# Altium PCB DM1095_R0M0E1.PcbDoc (part 1 of 3) (continued)
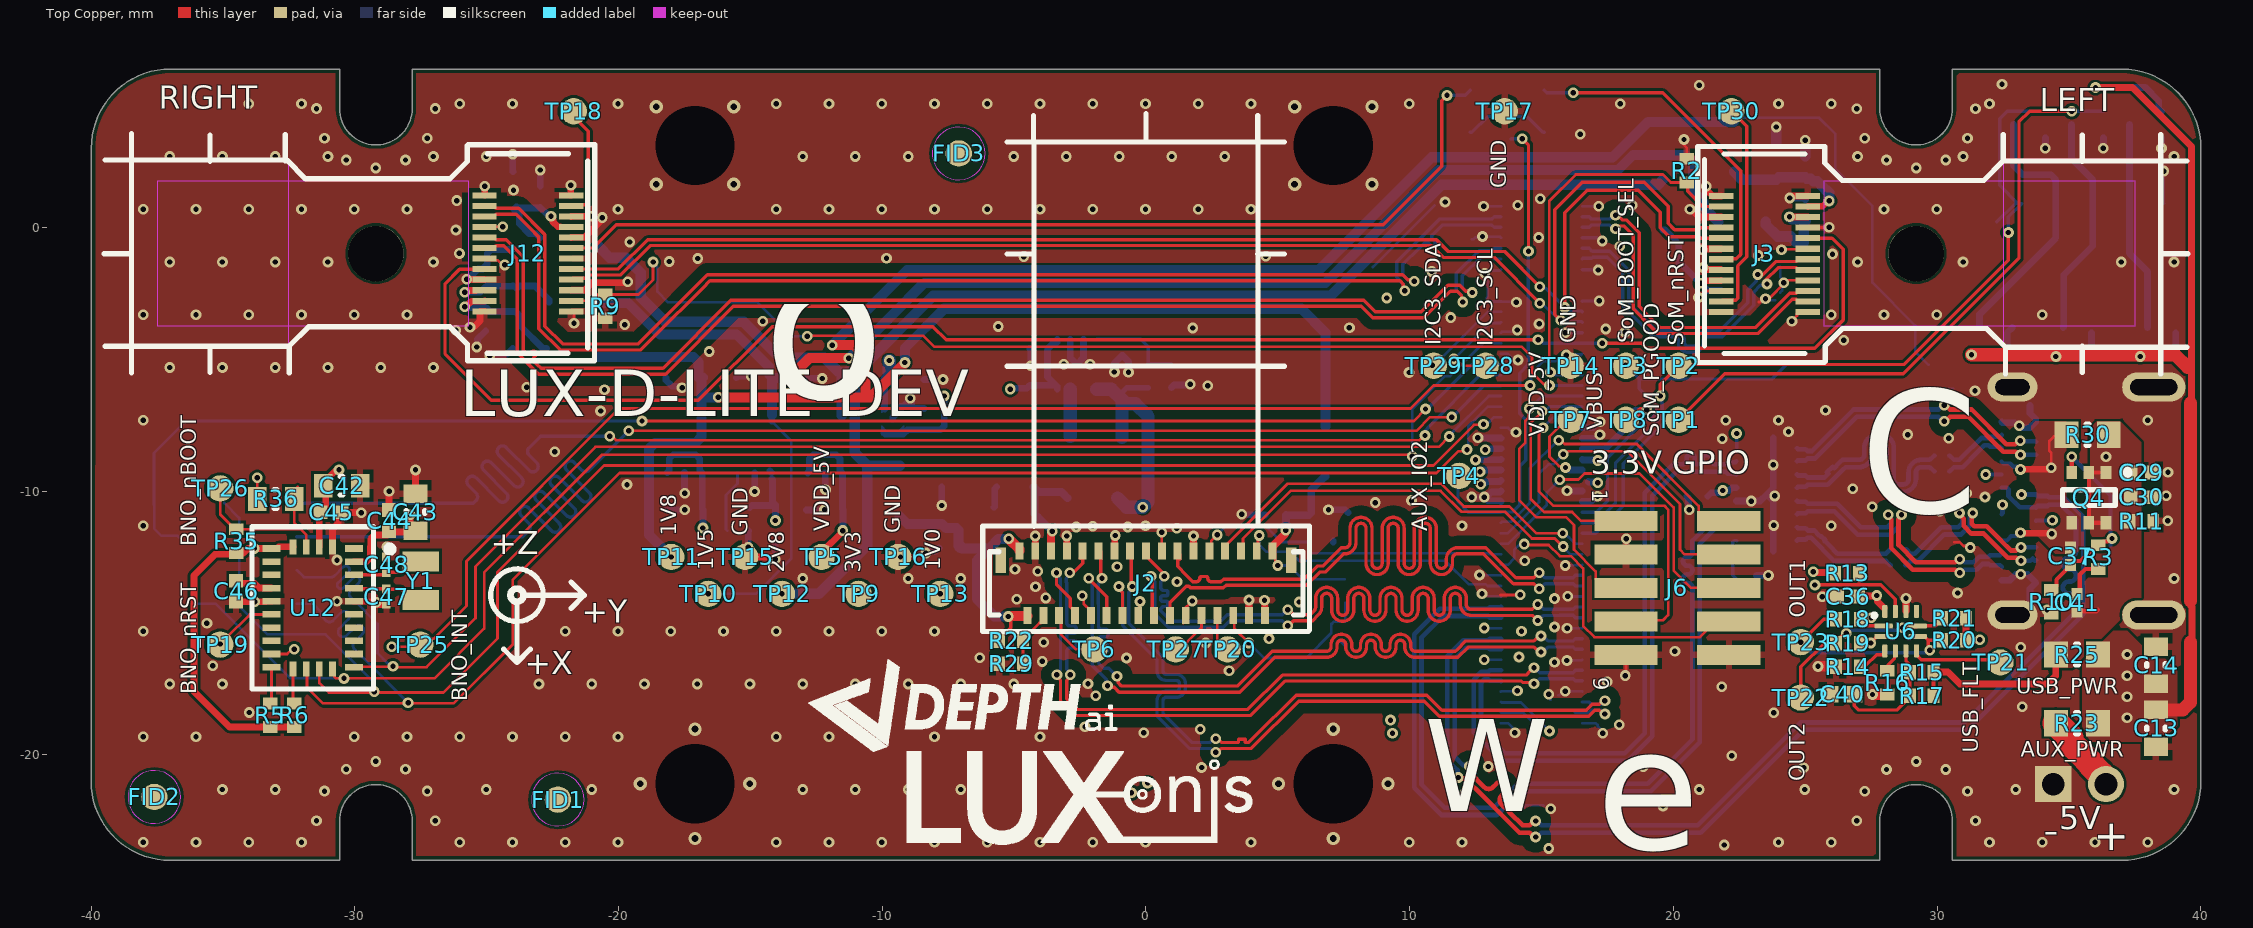
[diagram p0: Top Copper view]
## Components (designator, comment, footprint, x,y, rotation, side; value= is the part's Value field where it differs from the comment) (continued)
J5 "20021121-00010T1LF" 20021121-00010T1LF -34.15,-11.73 r90 bottom
J6 "20021121-00010T1LF" 20021121-00010T1LF 20.15,-13.67 r270 top
J8 "B2B-PH-K-S(LF)(SN)" B2B-PH-K-S(LF)(SN) 35.4,-20.563 r180 bottom
J10 "USB3.1 TYPEC 24P SMD RA" 105450-0101 33.092,-10.379 r270 bottom
J12 "BBR43-24KB533 for camera module GP04E-0JG" "GP04E-0JG OV7251" -35.487,-1 r90 top locked
L1 "1uH, 3.2A, 20%" DFE252012P-1R0M=P2 -1.908,-7.962 r0 bottom
MH1 "M2, 3MM steel spacer on M2.5 mounting pad" 9774030243R 7.1,3.1 r45 bottom locked
MH2 "M2, 3MM steel spacer on M2.5 mounting pad" 9774030243R -17.1,3.1 r45 bottom locked
MH3 "M2, 3MM steel spacer on M2.5 mounting pad" 9774030243R -17.1,-21.1 r180 bottom locked
MH4 "M2, 3MM steel spacer on M2.5 mounting pad" 9774030243R 7.1,-21.1 r180 bottom locked
MISC1 "Layout guide for BW1099" BW1099_R3_KTHSNF_Footprint 14.978,-9.027 r0 bottom locked
Q1 "RE1C002UNTCL" RE1C002UNTCL 37.9,3.9 r270 bottom
Q2 "RE1C002UNTCL" RE1C002UNTCL 35.7,3.9 r270 bottom
Q3 "RE1C002UNTCL" RE1C002UNTCL 33.5,3.9 r270 bottom
Q4 "NTJS4151PT1G" ONSC-SC70-6-419B-02_W_V 35.75,-10.25 r270 top
R1 "10K 0402" RESC0402(1005)_L 6.654,-11.93 r0 bottom
R2 "10K 0402" RESC0402(1005)_L 20.5,2.15 r90 top
R3 "470R 0402" RESC0402(1005)_L 36.109,-12.504 r270 top
R4 "10K 0402" RESC0402(1005)_L 13.7,3.75 r90 bottom
R5 "2.2K 0402" RESC0402(1005)_L -33.2,-18.5 r90 top
R6 "2.2K 0402" RESC0402(1005)_L -32.3,-18.5 r90 top
R7 "53.6k 0402" RESC0402(1005)_L 0.092,-5.637 r270 bottom
R8 "45.3K 0402" RESC0402(1005)_L 0.967,-5.623 r90 bottom
R9 "10K 0402" RESC0402(1005)_L -20.5,-3 r270 top
R10 "17.8K 0402" RESC0402(1005)_L 34.322,-14.199 r90 top
R11 "10K 0402" RESC0402(1005)_L 37.74,-11.14 r180 top
R12 "10K 0402" RESC0402(1005)_L 22.7,-13.2 r0 bottom
R13 "10K 0402" RESC0402(1005)_L 26.584,-13.111 r180 top
R14 "10K 0402" RESC0402(1005)_L 26.615,-16.665 r180 top
R15 "1.8MR 0402" RESC0402(1005)_L 29.415,-16.865 r180 top
R16 "10K 0402" RESC0402(1005)_L 28.115,-17.265 r270 top
R17 "1.8MR 0402" RESC0402(1005)_L 29.415,-17.765 r180 top
R18 "10K 0402" RESC0402(1005)_L 26.615,-14.865 r0 top
R19 "10K 0402" RESC0402(1005)_L 26.615,-15.765 r0 top
R20 "10K 0402" RESC0402(1005)_L 30.639,-15.654 r0 top
R21 "10K 0402" RESC0402(1005)_L 30.639,-14.815 r0 top
R22 "10K 0402" RESC0402(1005)_L -5.115,-15.676 r0 top
R23 "0R 0603" RESC0603(1608)_N 35.3,-18.8 r0 top
R24 "0R 0603" RESC0603(1608)_N 15.1,4.4 r90 bottom
R25 "0R 0603" RESC0603(1608)_N 35.3,-16.2 r0 top
R26 "0R 0603" RESC0603(1608)_N 12.3,4.4 r90 bottom
R27 "10K 0402" RESC0402(1005)_L 7.526,-13.79 r90 bottom
R28 "10K 0402" RESC0402(1005)_L 7.526,-15.406 r270 bottom
R29 "10K 0402" RESC0402(1005)_L -5.115,-16.551 r180 top
R30 "0R 0603" RESC0603(1608)_N 35.705,-7.862 r0 top
R31 "1K 0402" RESC0402(1005)_L 36.9,5.3 r180 bottom
R32 "1K 0402" RESC0402(1005)_L 38.6,-4.9 r180 bottom
R33 "1K 0402" RESC0402(1005)_L 35.4,-4.9 r180 bottom
R34 "1K 0402" RESC0402(1005)_L 32.2,-4.9 r180 bottom
R35 "10K 0402" RESC0402(1005)_L -34.5,-11.9 r270 top
R36 "0R 0603" RESC0603(1608)_L -33,-10.3 r180 top
R37 "45.3K 0402" RESC0402(1005)_L -15.474,-10.624 r0 bottom
TP1 "TP100_200_NS" TP100_200_NS 20.2,-7.3 r0 top
TP2 "TP100_200_NS" TP100_200_NS 20.2,-5.25 r270 top
TP3 "TP100_200_NS" TP100_200_NS 18.2,-5.25 r0 top
TP4 "TP100_200_NS" TP100_200_NS 11.874,-9.424 r0 top
TP5 "TP100_200_NS" TP100_200_NS -12.3,-12.5 r0 top
TP6 "TP100_200_NS" TP100_200_NS -1.955,-16.005 r0 top
TP7 "TP100_200_NS" TP100_200_NS 16.1,-7.3 r90 top
TP8 "TP100_200_NS" TP100_200_NS 18.2,-7.3 r0 top
TP9 "TP100_200_NS" TP100_200_NS -10.9,-13.9 r0 top
TP10 "TP100_200_NS" TP100_200_NS -16.6,-13.9 r0 top
TP11 "TP100_200_NS" TP100_200_NS -18,-12.5 r0 top
TP12 "TP100_200_NS" TP100_200_NS -13.8,-13.9 r0 top
TP13 "TP100_200_NS" TP100_200_NS -7.8,-13.9 r0 top
TP14 "TP100_200_NS" TP100_200_NS 16.1,-5.25 r90 top
TP15 "TP100_200_NS" TP100_200_NS -15.2,-12.5 r0 top
TP16 "TP100_200_NS" TP100_200_NS -9.4,-12.5 r0 top
TP17 "TP100_200_NS" TP100_200_NS 13.6,4.4 r0 top
TP18 "TP100_200_NS" TP100_200_NS -21.7,4.4 r90 top
TP19 "TP100_200_NS" TP100_200_NS -35.1,-15.823 r180 top
TP20 "TP100_200_NS" TP100_200_NS 3.095,-16.005 r90 top
TP21 "TP100_200_NS" TP100_200_NS 32.4,-16.5 r270 top
TP22 "TP100_200_NS" TP100_200_NS 24.829,-17.829 r270 top
TP23 "TP100_200_NS" TP100_200_NS 24.829,-15.729 r270 top
TP25 "TP100_200_NS" TP100_200_NS -27.514,-15.823 r180 top
TP26 "TP100_200_NS" TP100_200_NS -35.1,-9.9 r180 top
TP27 "TP100_200_NS" TP100_200_NS 1.129,-16.005 r90 top
TP28 "TP100_200_NS" TP100_200_NS 12.877,-5.25 r180 top
TP29 "TP100_200_NS" TP100_200_NS 10.913,-5.25 r180 top
TP30 "TP100_200_NS" TP100_200_NS 22.2,4.4 r90 top
U1 "TLV70733PDQN" TLV70733PDQN -9.605,-7.281 r270 bottom
U2 "TLV70018DCK" TLV70018DCK -17.5,-8.2 r180 bottom
U3 "TLV70028DCK" TLV70028DCK -12.179,-8.22 r180 bottom
U4 "TLV62080DSG" TLV62080DSG -2.62,-5.192 r270 bottom
U5 "USB Type-C Switch" HD3SS3212RKSR 23.535,-10.125 r0 bottom
U6 "USB Type-C Port Control" TUSB321RWBR 28.615,-15.315 r90 top
U8 "TLV70015DCK" TLV70015DCK -14.839,-8.21 r180 bottom
U12 "BNO085" BNO085 -31.594,-14.429 r0 top
Y1 "ABS06-127-32.768KHZ-T" ABS06-127-32.768KHZ-T -27.5,-13.4 r270 top

## Footprints (in the part's own frame and the unit in brackets; to place one, negate y for a bottom-side part, rotate by r counter-clockwise, add the part's x,y. Pads: shape width x height; smd on the part's side, far side on the other; paste and mask are expansions set on the pad)
105450-0101 [mm] "USB3.1 Type-C Molex SMT, RA, TH"
  rect 0.3x0.7 smd mask+0.05: A1(-3,0.65) A2(-2.5,0.65) A3(-2,0.65) A4(-1.5,0.65) A5(-1,0.65) A6(-0.5,0.65) A7(0.5,0.65) A8(1,0.65) A9(1.5,0.65) A10(2,0.65) A11(2.5,0.65) A12(3,0.65) B2(2.25,-0.65) B3(1.75,-0.65) B4(1.25,-0.65) B5(0.75,-0.65) B6(0.25,-0.65) B7(-0.25,-0.65) B8(-0.75,-0.65) B9(-1.25,-0.65) B10(-1.75,-0.65) B11(-2.25,-0.65)
  rect 1x0.7 smd mask+0.05: B1(3.1,-0.65) B12(-3.1,-0.65)
  oval 1.1x1.9 hole 0.6 slot 1.3 at 90 deg mask+0.05: SH1(-4.32,0.24) SH4(4.32,0.24)
  oval 1.1x2.4 hole 0.6 slot 1.8 at 90 deg mask+0.05: SH2(-4.32,-5.12) SH3(4.32,-5.12)
  Top Copper keep-out region: -3.6,-1.3 3.6,-1.3 3.6,-5.95 -3.6,-5.95
  silkscreen extent -4.5,-3.6 4.5,-1, body extent -4.47,-7.02 4.47,0.88, height 3.2
20021121-00010T1LF [mm] "Connector Header Surface Mount 10 position 0.050\" (1.27mm)   Contact length: 0.120\" (3.05mm)"
  rect 0.76x2.4 smd: 1(-2.54,-1.95) 1(-2.54,-1.95) 2(-2.54,1.95) 2(-2.54,1.95) 3(-1.27,-1.95) 4(-1.27,1.95) 5(0,-1.95) 6(0,1.95) 7(1.27,-1.95) 8(1.27,1.95) 9(2.54,-1.95) 10(2.54,1.95)
  body extent -3.18,-2.75 3.17,2.75, height 4.55
2508056017Y2 [mm] "2508056017Y2 Chip Inductor, 2-Leads, Body 2.00x1.25mm"
  rect 1.3x1.5 smd: 1(-0.95,0) 2(0.95,0)
  body extent -1.1,-0.72 1.1,0.73, height 1.45
9774030243R [mm] "STANDOFF_M2X0.4_3MM with no pad on bottom of PCB"
  round 5.3 / inner round 2.7 / far side round 2.7 hole 3 mask+0.05: 1(0,0)
  body extent -2.17,-2.17 2.18,2.17, height 3.05
ABS06-127-32.768KHZ-T [mm] "2-SMD 0.079\" L x 0.047\" W (2.00mm x 1.20mm)"
  rect 0.75x1.4 smd: 1(-0.73,0) 2(0.73,0)
  body extent -1,-0.6 1,0.6, height 0.65
ACIMX-214 [mm] "connector: FH26W-33S-0.3SHW"
  rect 0.4x0.95 smd mask+0.05: 0(-5.5,-11.625) 0(5.5,-11.625)
  rect 0.3x0.65 smd mask+0.05: 1(4.8,-11.275) 2(4.507,-13.725) 3(4.2,-11.275) 4(3.907,-13.725) 5(3.6,-11.275) 6(3.307,-13.725) 7(3,-11.275) 8(2.707,-13.725) 9(2.4,-11.275) 10(2.107,-13.725) 11(1.8,-11.275) 12(1.507,-13.725) 13(1.2,-11.275) 14(0.907,-13.725) 15(0.6,-11.275) 16(0.307,-13.725) 17(0,-11.275) 18(-0.293,-13.725) 19(-0.6,-11.275) 20(-0.893,-13.725) 21(-1.2,-11.275) 22(-1.493,-13.725) 23(-1.8,-11.275) 24(-2.093,-13.725) 25(-2.4,-11.275) 26(-2.693,-13.725) 27(-3,-11.275) 28(-3.293,-13.725) 29(-3.6,-11.275) 30(-3.893,-13.725) 31(-4.2,-11.275) 32(-4.493,-13.725) 33(-4.8,-11.275)
  Top Copper keep-out region: -4.254,4.25 4.25,4.25 4.25,-4.25 -4.254,-4.25
  silkscreen extent -6.19,-14.32 6.2,5.23, body extent -5.7,-14.07 5.7,5.1, height 5.6
B2B-PH-K-S(LF)(SN) [mm] "3.4mm pins, 6mm housing"
  rect 1.368x1.368 hole 0.86: P1(1,-0.55)
  round 1.368 hole 0.86: P2(-1,-0.55)
  silkscreen extent -3.2,-2.5 3.2,2.5, body extent -2.95,-2.25 2.95,2.25, height 6
BNO085 [mm] "28-TFLGA Module (5.2x3.8)"
  rect 0.675x0.25 smd paste+0 mask+0: 1(1.562,2.25) 6(-1.562,2.25) 7(-1.562,1.75) 8(-1.562,1.25) 9(-1.562,0.75) 10(-1.562,0.25) 11(-1.562,-0.25) 12(-1.562,-0.75) 13(-1.562,-1.25) 14(-1.562,-1.75) 15(-1.562,-2.25) 20(1.562,-2.25) 21(1.562,-1.75) 22(1.562,-1.25) 23(1.562,-0.75) 24(1.562,-0.25) 25(1.562,0.25) 26(1.562,0.75) 27(1.562,1.25) 28(1.562,1.75)
  rect 0.25x0.575 smd paste+0 mask+0: 2(0.75,2.312) 3(0.25,2.312) 4(-0.25,2.312) 5(-0.75,2.312) 16(-0.75,-2.312) 17(-0.25,-2.312) 18(0.25,-2.312) 19(0.75,-2.312)
  silkscreen extent -2.3,-3.08 3.05,3.08, body extent -2.45,-3.15 2.45,3.15, height 0.25
BW1099_R3_KTHSNF_Footprint [mm] "Graphical/Mechanical footprint for BW1099"
  body extent -35,-15 5,15, height 19
CAPC0201(0603)33_L [mm] "Chip Capacitor, Body 0.6x0.3mm, Height 0.33mm, IPC High Density"
  rect 0.36x0.32 smd: 1(-0.28,0) 2(0.28,0)
  body extent -0.32,-0.17 0.32,0.17, height 0.33
CAPC0201(0603)33_N [mm] "Chip Capacitor, Body 0.6x0.3mm, Height 0.33mm, IPC Medium Density"
  rect 0.46x0.42 smd: 1(-0.33,0) 2(0.33,0)
  body extent -0.31,-0.16 0.32,0.17, height 0.33
CAPC0402(1005)70_L [mm] "Chip Capacitor, Body 1.0x0.5mm, Height 0.7mm, IPC High Density"
  rect 0.52x0.52 smd: 1(-0.4,0) 2(0.4,0)
  body extent -0.55,-0.3 0.55,0.3, height 0.7
CAPC0402(1005)70_N [mm] "Chip Capacitor, Body 1.0x0.5mm, Height 0.7mm, IPC Medium Density"
  rect 0.62x0.62 smd: 1(-0.45,0) 2(0.45,0)
  body extent -0.55,-0.3 0.55,0.3, height 0.7
CAPC0603(1608)100_L [mm] "Chip Capacitor, Body 1.6x0.8mm, Height 1.0mm, IPC High Density"
  rect 0.7x0.9 smd: 1(-0.7,0) 2(0.7,0)
  silkscreen extent -0.05,-0.35 0.05,0.35, body extent -0.87,-0.47 0.88,0.48, height 1
DF40HC-3.0-100DS-0.4V_minpad [mm] "3.0MM MATED HEIGHT CONN HDR 100POS 0.4MM SMD GOLD"
  rect 0.7x0.18 smd: 1(1.54,9.8) 2(-1.54,9.8) 3(1.54,9.4) 4(-1.54,9.4) 5(1.54,9) 6(-1.54,9) 7(1.54,8.6) 8(-1.54,8.6) 9(1.54,8.2) 10(-1.54,8.2) 11(1.54,7.8) 12(-1.54,7.8) 13(1.54,7.4) 14(-1.54,7.4) 15(1.54,7) 16(-1.54,7) 17(1.54,6.6) 18(-1.54,6.6) 19(1.54,6.2) 20(-1.54,6.2) 21(1.54,5.8) 22(-1.54,5.8) 23(1.54,5.4) 24(-1.54,5.4) 25(1.54,5) 26(-1.54,5) 27(1.54,4.6) 28(-1.54,4.6) 29(1.54,4.2) 30(-1.54,4.2) 31(1.54,3.8) 32(-1.54,3.8) 33(1.54,3.4) 34(-1.54,3.4) 35(1.54,3) 36(-1.54,3) 37(1.54,2.6) 38(-1.54,2.6) 39(1.54,2.2) 40(-1.54,2.2) 41(1.54,1.8) 42(-1.54,1.8) 43(1.54,1.4) 44(-1.54,1.4) 45(1.54,1) 46(-1.54,1) 47(1.54,0.6) 48(-1.54,0.6) 49(1.54,0.2) 50(-1.54,0.2) 51(1.54,-0.2) 52(-1.54,-0.2) 53(1.54,-0.6) 54(-1.54,-0.6) 55(1.54,-1) 56(-1.54,-1) 57(1.54,-1.4) 58(-1.54,-1.4) 59(1.54,-1.8) 60(-1.54,-1.8) 61(1.54,-2.2) 62(-1.54,-2.2) 63(1.54,-2.6) 64(-1.54,-2.6) 65(1.54,-3) 66(-1.54,-3) 67(1.54,-3.4) 68(-1.54,-3.4) 69(1.54,-3.8) 70(-1.54,-3.8) 71(1.54,-4.2) 72(-1.54,-4.2) 73(1.54,-4.6) 74(-1.54,-4.6) 75(1.54,-5) 76(-1.54,-5) 77(1.54,-5.4) 78(-1.54,-5.4) 79(1.54,-5.8) 80(-1.54,-5.8) 81(1.54,-6.2) 82(-1.54,-6.2) 83(1.54,-6.6) 84(-1.54,-6.6) 85(1.54,-7) 86(-1.54,-7) 87(1.54,-7.4) 88(-1.54,-7.4) 89(1.54,-7.8) 90(-1.54,-7.8) 91(1.54,-8.2) 92(-1.54,-8.2) 93(1.54,-8.6) 94(-1.54,-8.6) 95(1.54,-9) 96(-1.54,-9) 97(1.54,-9.4) 98(-1.54,-9.4) 99(1.54,-9.8) 100(-1.54,-9.8)
  silkscreen extent -0.65,-10.85 2.75,10.88, body extent -1.69,-11.3 1.69,11.3, height 2.85
DFE252012P-1R0M=P2 [mm] "Chip Inductor, 2-Leads, Body 2.40x2.00mm, IPC High Density"
  rect 0.8x2 smd: 1(-1,0) 2(1,0)
  silkscreen extent -0.05,-0.9 0.05,0.9, body extent -1.25,-1.1 1.25,1.1, height 1.2
DTSM-32N-V [mm] "tactile button 160gf"
  rect 2x1.5 smd: 1(-2.7,0) 2(2.7,0)
  silkscreen extent -3.01,-1.76 3,1.75, body extent -3.65,-1.75 3.65,1.75, height 5
FIDUCIAL_ROUND_1MM [mm] "Round, 1mm dia"
  round 1 smd paste-1 mask+0.5: 1(0,0)
  Top Copper keep-out circle w0.025: c0,0 r1
"GP04E-0JG OV7251" [mm]
  rect 0.23x0.92 smd mask+0.05: 1(-2.187,-10.41) 2(-1.787,-10.41) 3(-1.387,-10.41) 4(-0.987,-10.41) 5(-0.587,-10.41) 6(-0.187,-10.41) 7(0.213,-10.41) 8(0.613,-10.41) 9(1.013,-10.41) 10(1.413,-10.41) 11(1.813,-10.41) 12(2.213,-10.41) 13(2.213,-13.69) 14(1.813,-13.69) 15(1.413,-13.69) 16(1.013,-13.69) 17(0.613,-13.69) 18(0.213,-13.69) 19(-0.187,-13.69) 20(-0.587,-13.69) 21(-0.987,-13.69) 22(-1.387,-13.69) 23(-1.787,-13.69) 24(-2.187,-13.69)
  Top Copper keep-out region: -2.737,-9.8 2.738,-9.8 2.738,2 -2.737,2
  Top Copper keep-out region: -3.575,-2.988 3.5,-2.988 3.5,2.95 -3.575,2.95
  silkscreen extent -4.06,-14.59 4.13,2.97, body extent -5.1,-14.3 5.1,5.1, height 3.17
HD3SS3212RKSR [mm] "VQFN-20"
  rrect20% 0.25x0.6 smd mask+0.07: 1(-0.25,2.15) 10(-0.25,-2.15) 11(0.25,-2.15) 20(0.25,2.15)
  rrect20% 0.6x0.25 smd mask+0.07: 2(-1.15,1.75) 3(-1.15,1.25) 4(-1.15,0.75) 5(-1.15,0.25) 6(-1.15,-0.25) 7(-1.15,-0.75) 8(-1.15,-1.25) 9(-1.15,-1.75) 12(1.15,-1.75) 13(1.15,-1.25) 14(1.15,-0.75) 15(1.15,-0.25) 16(1.15,0.25) 17(1.15,0.75) 18(1.15,1.25) 19(1.15,1.75)
  rrect10% 1x3 smd paste-3 mask+0.07: 21(0,0)
  silkscreen extent -1.25,-2.25 1.25,2.53, body extent -1.25,-2.25 1.25,2.25, height 1
ONSC-SC70-6-419B-02_W_V [mm] "SOT23, 6-Leads, Body 2x1.25mm, Pitch 0.65mm"
  rect 0.5x0.4 smd: 1(-0.95,0.65) 2(-0.95,0) 3(-0.95,-0.65) 4(0.95,-0.65) 5(0.95,0) 6(0.95,0.65)
  silkscreen extent -1.07,-1 0.3,1.53, body extent -1.05,-1 1.05,1, height 1.08
RE1C002UNTCL [mm] "ROHM SOT-416FL"
  rect 0.3x0.71 smd: 1(-0.5,-0.61) 2(0.5,-0.61) 3(0,0.61)
  silkscreen extent -0.85,0.18 0.85,0.48, body extent -0.8,-0.8 0.8,0.8, height 0.75
RESC0402(1005)_L [mm] "Chip Resistor, Body 1.0x0.5mm, IPC High Density"
  rect 0.45x0.55 smd: 1(-0.45,0) 2(0.45,0)
  body extent -0.52,-0.27 0.53,0.28, height 0.4
RESC0603(1608)_L [mm] "Chip Resistor, Body 1.6x0.8mm, IPC High Density"
  rect 0.7x0.9 smd: 1(-0.7,0) 2(0.7,0)
  silkscreen extent -0.05,-0.35 0.05,0.35, body extent -0.85,-0.47 0.85,0.47, height 0.6
RESC0603(1608)_N [mm] "Chip Resistor, Body 1.6x0.8mm, IPC Medium Density"
  rect 0.9x1 smd: 1(-0.8,0) 2(0.8,0)
  silkscreen extent -0.05,-0.4 0.05,0.4, body extent -0.85,-0.47 0.85,0.47, height 0.6
SML_D1xx8W [mm] "Rohm LED SML_D1 series - Chip Diode, 2-Leads, Body 1.60x0.80mm, IPC High Density"
  rect 0.8x0.8 smd: 1(-0.625,0) 2(0.625,0)
  silkscreen extent -1.3,-0.5 -1.3,0.5, body extent -0.8,-0.4 0.8,0.4, height 0.6
TLV62080DSG [mm] "WSON-8, 2.1mm x 2.1mm x 0.8mm"
  rect 0.5x0.28 smd mask+0.102: 1(-0.95,0.75) 2(-0.95,0.25) 3(-0.95,-0.25) 4(-0.95,-0.75) 5(0.95,-0.75) 6(0.95,-0.25) 7(0.95,0.25) 8(0.95,0.75)
  rect 0.9x1.6 smd mask+0.102: 9(0,0)
  silkscreen extent -1.4,1.07 -1.35,1.13, body extent -1.05,-1.05 1.05,1.05, height 0.8
TLV70015DCK [mm] "SC70-5 1.1mm"
  rect 0.4x0.9 smd paste-0.025 mask+0.05: 1(-0.65,-1.1) 2(0,-1.1) 3(0.65,-1.1) 4(0.65,1.1) 5(-0.65,1.1)
  silkscreen extent -1.17,-1.63 -1.12,-1.57, body extent -1.1,-1.2 1.1,1.2, height 1.1
TLV70018DCK [mm] "SC70-5 1.1mm"
  rect 0.4x0.9 smd paste-0.025 mask+0.05: 1(-0.65,-1.1) 2(0,-1.1) 3(0.65,-1.1) 4(0.65,1.1) 5(-0.65,1.1)
  silkscreen extent -1.17,-1.63 -1.12,-1.57, body extent -1.1,-1.2 1.1,1.2, height 1.1
TLV70028DCK [mm] "SC70-5 1.1mm"
  rect 0.4x0.9 smd paste-0.025 mask+0.05: 1(-0.65,-1.1) 2(0,-1.1) 3(0.65,-1.1) 4(0.65,1.1) 5(-0.65,1.1)
  silkscreen extent -1.17,-1.63 -1.12,-1.57, body extent -1.1,-1.2 1.1,1.2, height 1.1
TLV70733PDQN [mm] "DFN, 4-Leads, Body 1.00x1.00mm, Pitch 0.65mm, IPC High Density"
  rect 0.15x0.15 smd mask+0: 1(-0.51,0.33) 2(-0.51,-0.33) 3(0.51,-0.33)
  rect 0.15x0.15 smd paste+0 mask+0: 4(0.51,0.33)
  rect 0.48x0.48 smd rot 45 mask+0.05: 5(0,0)
  Top Copper region: 0.25,-0.43 0.61,-0.43 0.61,-0.22 0.43,-0.22 0.25,-0.4
  Top Copper region: -0.25,0.43 -0.61,0.43 -0.61,0.22 -0.43,0.22 -0.25,0.4
  Top Copper region: -0.25,-0.43 -0.61,-0.43 -0.61,-0.22 -0.43,-0.22 -0.25,-0.4
  Top Copper region: 0.25,0.43 0.61,0.43 0.61,0.22 0.43,0.22 0.25,0.4
  silkscreen extent -0.54,0.75 -0.48,0.8, body extent -0.5,-0.5 0.5,0.5, height 0.34
TP100_200_NS [mm] "1mm dia pad, 2mm dia clearance, no silk screen"
  round 1 smd paste-2: 1(0,0)
TUSB321RWBR [mm] "X2QFN-12 1.6x1.6"
  rrect50% 0.2x0.7 smd mask+0.05: 1(0.2,0.65) 2(-0.2,0.65) 7(-0.2,-0.65) 8(0.2,-0.65)
  rrect50% 0.5x0.2 smd mask+0.05: 3(-0.75,0.6) 4(-0.75,0.2) 5(-0.75,-0.2) 6(-0.75,-0.6) 9(0.75,-0.6) 10(0.75,-0.2) 11(0.75,0.2) 12(0.75,0.6)
  silkscreen extent 0.57,0.97 0.63,1.03, body extent -0.8,-0.8 0.8,0.8, height 0.4

## Part data
B1 B2: library part DTSM-32N-V, "SWITCH TACTILE SMT 3.5mm * 6mm , brown 160gf", Manufacturer 1=Diptronics, Manufacturer Part Number 1=DTSM-32N-V-T/R, Max Operating Temperature=80°C, Min Operating Temperature=-30°C, Supplier Part Number 1=113-DTSM32NVTR, ComponentLink1Description=https://datasheet.ciiva.com/29188/708548-da-01-en-tastschalter-smd-dtsm-32n-v-tr-1600st-29188823.pdf?src-supplier=Conrad, ComponentLink1URL=https://datasheet.ciiva.com/29188/708548-da-01-en-tastschalter-smd-dtsm-32n-v-tr-1600st-29188823.pdf?src-supplier=Conrad, Height=5mm, Length=6mm, Pricing 1="1=0.38000, 10=0.38000, 50=0.31000, 100=0.28200, 500=0.25600, 1000=0.23600, 1600=0.20900, 4800=0.18800, 9600=0.17300, 10000=0.17300, 24000=0.16100 (USD)", RoHS=Yes, Stock 1=3199, Supplier 1=Mouser, Width=3.5mm
C1 C3 C5 C7 C9 C11 C23 C25 C27: library part GRM155R71A104JA01D, "CAP CER 0.1UF 10V X7R 0402 5%", Capacitance=100nF, Case/Package=0402, Case Code (Metric)=1005, Dielectric=X7R, Manufacturer 1=Murata, Max Operating Temperature=125°C, Min Operating Temperature=-55°C, Package Quantity=10000, Supplier Part Number 1=490-10777-1-ND, Tolerance=5%, Voltage Rating=10V, Case Code (Imperial)=0402, ComponentLink1Description=https://datasheet.ciiva.com/5411/product-5411135.pdf?src-supplier=Mouser, ComponentLink1URL=https://datasheet.ciiva.com/5411/product-5411135.pdf?src-supplier=Mouser, ComponentLink2Description=https://datasheet.ciiva.com/11618/c02e-11618821.pdf?src-supplier=Avnet, ComponentLink2URL=https://datasheet.ciiva.com/11618/c02e-11618821.pdf?src-supplier=Avnet, Depth=0.5mm, Height=0.5mm, Lead Free="Lead Free", Length=1mm, Manufacturer Part Number 1=GRM155R71A104JA01D, Mount="Surface Mount", Packaging="Tape and Reel", Pricing 1="1=0.10000, 10=0.02500, 100=0.01130, 500=0.00806, 1000=0.00633, 2500=0.00575, 5000=0.00529 (USD)", Radiation Hardening=No, RoHS=Yes, Stock 1=1346709, Supplier 1=Digi-Key, Termination=SMD/SMT, Thickness=0.022inch, Voltage Rating (DC)=10V, Width=0.02inch
C2 C4 C6 C8 C10 C12 C15 C17 C18 C19 C20 C21 C24 C26 C28 C38 C39: library part GRM188R61A106ME69D, "CAP CER 10UF 10V X5R 0603 20%", Capacitance=10uF, Case/Package=0603, Case Code (Metric)=1608, Dielectric=X5R, Manufacturer 1=Murata, Max Operating Temperature=85°C, Min Operating Temperature=-55°C, Package Quantity=4000, Supplier Part Number 1=490-10475-1-ND, Tolerance=20%, Voltage Rating=10V, Case Code (Imperial)=0603, ComponentLink1Description=http://www.mouser.com/ds/2/281/c02e-2905.pdf?src-supplier=Mouser, ComponentLink1URL=http://www.mouser.com/ds/2/281/c02e-2905.pdf?src-supplier=Mouser, ComponentLink2Description=http://components.arrow.com/part/dataview/0323_06119472?src-supplier=Arrow+Europe, ComponentLink2URL=http://components.arrow.com/part/dataview/0323_06119472?src-supplier=Arrow+Europe, ComponentLink3Description=http://www.farnell.com/datasheets/2048014.pdf?src-supplier=Farnell, ComponentLink3URL=http://www.farnell.com/datasheets/2048014.pdf?src-supplier=Farnell, ComponentLink4Description=http://www.farnell.com/datasheets/1872210.pdf?src-supplier=Farnell, ComponentLink4URL=http://www.farnell.com/datasheets/1872210.pdf?src-supplier=Farnell, ComponentLink5Description=http://search.murata.co.jp/Ceramy/image/img/A01X/G101/ENG/GRM188R61A106ME69-01.pdf?src-supplier=Digi-Key, ComponentLink5URL=http://search.murata.co.jp/Ceramy/image/img/A01X/G101/ENG/GRM188R61A106ME69-01.pdf?src-supplier=Digi-Key, ComponentLink6Description=http://www.farnell.com/datasheets/1872210.pdf?src-supplier=Newark, ComponentLink6URL=http://www.farnell.com/datasheets/1872210.pdf?src-supplier=Newark, ComponentLink7Description=http://www.farnell.com/datasheets/2048014.pdf?src-supplier=Element14, ComponentLink7URL=http://www.farnell.com/datasheets/2048014.pdf?src-supplier=Element14, ComponentLink8Description=http://www.farnell.com/datasheets/2048014.pdf?src-supplier=Newark, ComponentLink8URL=http://www.farnell.com/datasheets/2048014.pdf?src-supplier=Newark, Depth=0.8mm, Height=0.8mm, Lead Free="Lead Free", Length=1.6mm, Manufacturer Part Number 1=GRM188R61A106ME69D, Material=Ceramic, Mount="Surface Mount", Packaging="Tape and Reel", Pricing 1="1=0.21000, 10=0.14100, 100=0.07130, 500=0.04876, 1000=0.04313 (USD)", REACH SVHC=Unknown, RoHS=Yes, Stock 1=2873098, Supplier 1=Digi-Key, Termination=SMD/SMT, Thickness=0.035inch, Voltage Rating (DC)=10V, Weight=0.000222oz, Width=0.8mm
C13 C14 C22: library part GRM188R61A226ME15D, "CAP CER 22UF 10V X5R 0603 20%", Capacitance=22uF, Case/Package=0603, Case Code (Metric)=1608, Dielectric=X5R, Manufacturer 1=Murata, Max Operating Temperature=85°C, Min Operating Temperature=-55°C, Package Quantity=4000, Supplier Part Number 1=490-10476-1-ND, Tolerance=20%, Voltage Rating=10V, Case Code (Imperial)=0603, ComponentLink1Description=https://datasheet.ciiva.com/46444/1769893-46444975.pdf?src-supplier=Element14, ComponentLink1URL=https://datasheet.ciiva.com/46444/1769893-46444975.pdf?src-supplier=Element14, Depth=0.8mm, Height=0.8mm, Lead Free="Lead Free", Length=1.6mm, Manufacturer Part Number 1=GRM188R61A226ME15D, Material=Ceramic, Mount="Surface Mount", Packaging="Tape and Reel", Pricing 1="1=0.31000, 10=0.21500, 100=0.12160, 500=0.08584, 1000=0.07512 (USD)", REACH SVHC="No SVHC", RoHS=Yes, Stock 1=984716, Supplier 1=Digi-Key, Termination=SMD/SMT, Thickness=0.039inch, Voltage Rating (DC)=10V, Weight=0.000222oz, Width=0.8mm
C16 C40: library part GRM155R61E105KA12D, "CAP CER 1UF 25V X5R 0402 10%", Capacitance=1uF, Case Code (Imperial)=0402, Case Code (Metric)=1005, Dielectric=X5R, Manufacturer 1=Murata, Max Operating Temperature=85°C, Min Operating Temperature=-55°C, Package Quantity=10000, Supplier Part Number 1=490-10017-1-ND, Tolerance=10%, Voltage=25V, Case/Package=0402, ComponentLink1Description=https://datasheet.ciiva.com/22732/1666664-22732122.pdf?src-supplier=Element14, ComponentLink1URL=https://datasheet.ciiva.com/22732/1666664-22732122.pdf?src-supplier=Element14, ComponentLink2Description=https://datasheet.ciiva.com/7719/1666664-7719006.pdf?src-supplier=Element14, ComponentLink2URL=https://datasheet.ciiva.com/7719/1666664-7719006.pdf?src-supplier=Element14, Depth=0.5mm, Height=0.5mm, Lead Free="Lead Free", Length=1mm, Manufacturer Part Number 1=GRM155R61E105KA12D, Material=Ceramic, Mount="Surface Mount", Packaging="Tape and Reel", Pricing 1="1=0.10000, 10=0.07100, 100=0.03350, 500=0.02352, 1000=0.01947, 2500=0.01812, 5000=0.01658 (USD)", REACH SVHC="No SVHC", RoHS=Yes, Stock 1=200653, Supplier 1=Digi-Key, Supplier 2=Arrow, Supplier 3=TTI, Supplier Part Number 2=GRM155R61E105KA12D, Supplier Part Number 3=GRM155R61E105KA12D, Termination=SMD/SMT, Thickness=0.022inch, Voltage Rating=25V, Voltage Rating (DC)=25V, Weight=0.000212oz, Width=0.5mm
C29 C30 C35 C36: library part GRM155R60J106ME15D, "CAP CER 10UF 6.3V X5R 0402 20%", Capacitance=10uF, Case/Package=0402, Case Code (Metric)=1005, Dielectric=X5R, Manufacturer 1=Murata, Max Operating Temperature=85°C, Min Operating Temperature=-55°C, Supplier Part Number 1=490-13238-1-ND, Tolerance=20%, Voltage Rating=6.3V, Case Code (Imperial)=0402, ComponentLink1Description=https://www.murata.com/~/media/webrenewal/support/library/catalog/products/capacitor/mlcc/c02e.ashx?la=en-us&src-supplier=Digi-Key, ComponentLink1URL=https://www.murata.com/~/media/webrenewal/support/library/catalog/products/capacitor/mlcc/c02e.ashx?la=en-us&src-supplier=Digi-Key, Length=0.039inch, Manufacturer Part Number 1=GRM155R60J106ME15D, Mount="Surface Mount", Packaging="Tape and Reel", Pricing 1="1=0.23000, 10=0.15700, 100=0.07950, 500=0.05442, 1000=0.04814, 2500=0.04605, 5000=0.04186 (USD)", RoHS=Yes, Stock 1=1839627, Supplier 1=Digi-Key, Thickness=0.026inch, Voltage Rating (DC)=6.3V, Width=0.02inch
C31 C32 C33 C34: library part GRM033R61A104KE15D, "CAP CER 0.1UF 10V X5R 0201", Capacitance=100nF, Case/Package=0201, Case Code (Metric)=0603, Dielectric=X5R, Manufacturer 1=Murata, Max Operating Temperature=85°C, Min Operating Temperature=-55°C, Package Quantity=1, Supplier Part Number 1=490-5881-1-ND, Tolerance=10%, Voltage=10V, Case Code (Imperial)=0201, ComponentLink1Description=https://datasheet.ciiva.com/26843/getdatasheetpartid-308656-26843739.pdf?src-supplier=Verical, ComponentLink1URL=https://datasheet.ciiva.com/26843/getdatasheetpartid-308656-26843739.pdf?src-supplier=Verical, ComponentLink2Description=https://datasheet.ciiva.com/5413/product-5413117.pdf?src-supplier=Mouser, ComponentLink2URL=https://datasheet.ciiva.com/5413/product-5413117.pdf?src-supplier=Mouser, ComponentLink3Description=https://datasheet.ciiva.com/6256/partnumbering-e-01-6256406.pdf?src-supplier=Digi-Key, ComponentLink3URL=https://datasheet.ciiva.com/6256/partnumbering-e-01-6256406.pdf?src-supplier=Digi-Key, ComponentLink4Description=https://datasheet.ciiva.com/6256/partnumbering-e-01-6256407.pdf?src-supplier=Digi-Key, ComponentLink4URL=https://datasheet.ciiva.com/6256/partnumbering-e-01-6256407.pdf?src-supplier=Digi-Key, ComponentLink5Description=https://datasheet.ciiva.com/6256/partnumbering-e-01-6256408.pdf?src-supplier=Digi-Key, ComponentLink5URL=https://datasheet.ciiva.com/6256/partnumbering-e-01-6256408.pdf?src-supplier=Digi-Key, Depth=0.3mm, Height=0.3mm, Lead Free="Lead Free", Length=0.6mm, Manufacturer Part Number 1=GRM033R61A104KE15D, Mount="Surface Mount", Packaging="Tape and Reel", Pricing 1="1=0.10000, 10=0.04200, 100=0.01860, 500=0.01330, 1000=0.01045, 2500=0.00950, 5000=0.00874 (USD)", Radiation Hardening=No, REACH SVHC="No SVHC", RoHS=Yes, Stock 1=45335312, Supplier 1=Digi-Key, Termination=SMD/SMT, Thickness=0.013inch, Voltage Rating=10V, Voltage Rating (DC)=10V, Weight=6E-06oz, Width=0.012inch
C37: library part GRM033R60J105MEA2D, "CAP CER 1UF 6.3V X5R 0201 20%", Capacitance=1uF, Case Code (Imperial)=0201, Case Code (Metric)=0603, Dielectric=X5R, Manufacturer 1=Murata, Max Operating Temperature=85°C, Min Operating Temperature=-55°C, Package Quantity=1, Supplier Part Number 1=490-7229-1-ND, Tolerance=20%, Voltage=6.3V, Case/Package=0201, ComponentLink1Description=https://datasheet.ciiva.com/18699/grm033r60j105mea2-02-18699520.pdf?src-supplier=Digi-Key, ComponentLink1URL=https://datasheet.ciiva.com/18699/grm033r60j105mea2-02-18699520.pdf?src-supplier=Digi-Key, ComponentLink2Description=https://datasheet.ciiva.com/24218/c02e-24218376.pdf?src-supplier=Mouser, ComponentLink2URL=https://datasheet.ciiva.com/24218/c02e-24218376.pdf?src-supplier=Mouser, ComponentLink3Description=https://datasheet.ciiva.com/18699/partnumbering-e-01-18699519.pdf?src-supplier=Digi-Key, ComponentLink3URL=https://datasheet.ciiva.com/18699/partnumbering-e-01-18699519.pdf?src-supplier=Digi-Key, Depth=0.3mm, Height=0.3mm, Lead Free="Lead Free", Length=0.6mm, Manufacturer Part Number 1=GRM033R60J105MEA2D, Mount="Surface Mount", Packaging="Cut Tape", Pricing 1="1=0.12000, 10=0.08500, 100=0.04000, 500=0.02806, 1000=0.02323, 2500=0.02162, 5000=0.01978 (USD)", REACH SVHC="No SVHC", RoHS=Yes, Stock 1=26228841, Supplier 1=Digi-Key, Termination=SMD/SMT, Thickness=300um, Voltage Rating=6.3V, Voltage Rating (DC)=6.3V, Weight=1.2E-05oz, Width=0.3mm
C41: library part GRM033R61A104KE15D, "CAP CER 0.1UF 10V X5R 0201", Capacitance=100nF, Case Code (Imperial)=0201, Case Code (Metric)=0603, Dielectric=X5R, Manufacturer 1=Murata, Max Operating Temperature=85°C, Min Operating Temperature=-55°C, Package Quantity=1, Supplier Part Number 1=490-5881-1-ND, Tolerance=10%, Voltage=10V, Case/Package=0201, ComponentLink1Description=https://datasheet.ciiva.com/26843/getdatasheetpartid-308656-26843739.pdf?src-supplier=Verical, ComponentLink1URL=https://datasheet.ciiva.com/26843/getdatasheetpartid-308656-26843739.pdf?src-supplier=Verical, ComponentLink2Description=https://datasheet.ciiva.com/5413/product-5413117.pdf?src-supplier=Mouser, ComponentLink2URL=https://datasheet.ciiva.com/5413/product-5413117.pdf?src-supplier=Mouser, ComponentLink3Description=https://datasheet.ciiva.com/6256/partnumbering-e-01-6256406.pdf?src-supplier=Digi-Key, ComponentLink3URL=https://datasheet.ciiva.com/6256/partnumbering-e-01-6256406.pdf?src-supplier=Digi-Key, ComponentLink4Description=https://datasheet.ciiva.com/6256/partnumbering-e-01-6256407.pdf?src-supplier=Digi-Key, ComponentLink4URL=https://datasheet.ciiva.com/6256/partnumbering-e-01-6256407.pdf?src-supplier=Digi-Key, ComponentLink5Description=https://datasheet.ciiva.com/6256/partnumbering-e-01-6256408.pdf?src-supplier=Digi-Key, ComponentLink5URL=https://datasheet.ciiva.com/6256/partnumbering-e-01-6256408.pdf?src-supplier=Digi-Key, Depth=0.3mm, Height=0.3mm, Lead Free="Lead Free", Length=0.6mm, Manufacturer Part Number 1=GRM033R61A104KE15D, Mount="Surface Mount", Packaging="Tape and Reel", Pricing 1="1=0.10000, 10=0.04200, 100=0.01860, 500=0.01330, 1000=0.01045, 2500=0.00950, 5000=0.00874 (USD)", Radiation Hardening=No, REACH SVHC="No SVHC", RoHS=Yes, Stock 1=45335312, Supplier 1=Digi-Key, Termination=SMD/SMT, Thickness=0.013inch, Voltage Rating=10V, Voltage Rating (DC)=10V, Weight=6E-06oz, Width=0.012inch
C42 C43: library part GRM188R61A106ME69D, "CAP CER 10UF 10V X5R 0603 20%", Capacitance=10uF, Case Code (Imperial)=0603, Case Code (Metric)=1608, Dielectric=X5R, Manufacturer 1=Murata, Max Operating Temperature=85°C, Min Operating Temperature=-55°C, Package Quantity=4000, Supplier Part Number 1=490-10475-1-ND, Tolerance=20%, Voltage Rating=10V, Case/Package=0603, ComponentLink1Description=http://www.mouser.com/ds/2/281/c02e-2905.pdf?src-supplier=Mouser, ComponentLink1URL=http://www.mouser.com/ds/2/281/c02e-2905.pdf?src-supplier=Mouser, ComponentLink2Description=http://components.arrow.com/part/dataview/0323_06119472?src-supplier=Arrow+Europe, ComponentLink2URL=http://components.arrow.com/part/dataview/0323_06119472?src-supplier=Arrow+Europe, ComponentLink3Description=http://www.farnell.com/datasheets/2048014.pdf?src-supplier=Farnell, ComponentLink3URL=http://www.farnell.com/datasheets/2048014.pdf?src-supplier=Farnell, ComponentLink4Description=http://www.farnell.com/datasheets/1872210.pdf?src-supplier=Farnell, ComponentLink4URL=http://www.farnell.com/datasheets/1872210.pdf?src-supplier=Farnell, ComponentLink5Description=http://search.murata.co.jp/Ceramy/image/img/A01X/G101/ENG/GRM188R61A106ME69-01.pdf?src-supplier=Digi-Key, ComponentLink5URL=http://search.murata.co.jp/Ceramy/image/img/A01X/G101/ENG/GRM188R61A106ME69-01.pdf?src-supplier=Digi-Key, ComponentLink6Description=http://www.farnell.com/datasheets/1872210.pdf?src-supplier=Newark, ComponentLink6URL=http://www.farnell.com/datasheets/1872210.pdf?src-supplier=Newark, ComponentLink7Description=http://www.farnell.com/datasheets/2048014.pdf?src-supplier=Element14, ComponentLink7URL=http://www.farnell.com/datasheets/2048014.pdf?src-supplier=Element14, ComponentLink8Description=http://www.farnell.com/datasheets/2048014.pdf?src-supplier=Newark, ComponentLink8URL=http://www.farnell.com/datasheets/2048014.pdf?src-supplier=Newark, Depth=0.8mm, Height=0.8mm, Lead Free="Lead Free", Length=1.6mm, Manufacturer Part Number 1=GRM188R61A106ME69D, Material=Ceramic, Mount="Surface Mount", Packaging="Tape and Reel", Pricing 1="1=0.21000, 10=0.14100, 100=0.07130, 500=0.04876, 1000=0.04313 (USD)", REACH SVHC=Unknown, RoHS=Yes, Stock 1=2873098, Supplier 1=Digi-Key, Termination=SMD/SMT, Thickness=0.035inch, Voltage Rating (DC)=10V, Weight=0.000222oz, Width=0.8mm